# KiCad board fabiTEM_0-5.kicad_pcb (continued)
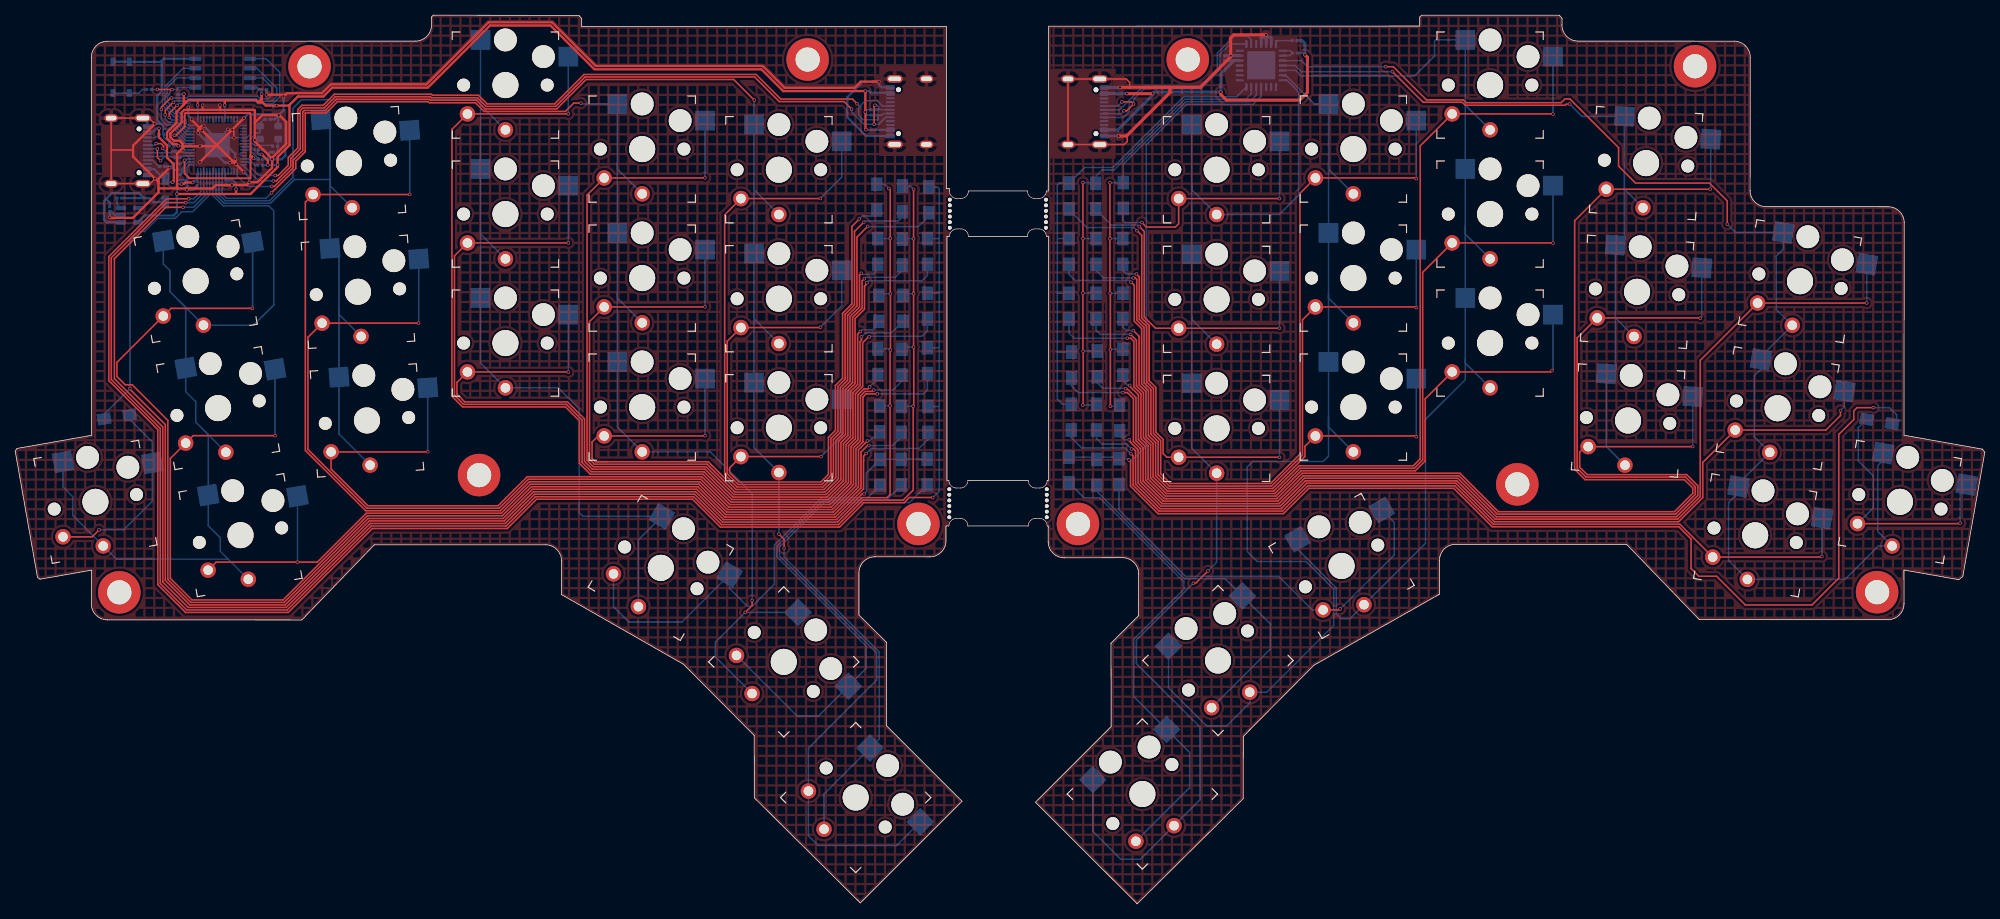
[diagram p0: board, top side]
## Routing (per net, layer and track width the routed paths; a pad name or vN(x,y) marks a point on that pad's centre or on a via; arc(x,y) is an arc through that point)
/+1.1V: length 41.7
  Top w0.25: v1(31.37,98.27) 31.15,98.49 30.98,98.49 ; v1(31.37,98.27) 30.98,98.65 30.98,104.13 30.89,104.21 22.41,104.21 22.32,104.12 22.32,102.42 21.18,101.28 v1(20.97,101.28) ; v1(31.37,98.27) 31.14,98.5 30.99,98.5 30.98,98.49 ; 30.98,98.49 30.98,95.62 22.94,95.62 22.3,96.27 v1(22.3,97.99)
  Bottom w0.2: U2.50 22.4,100.18 21.3,101.28 v1(20.97,101.28) 20.56,101.28 C15.1 ; U2.45 22.64,98.18 22.45,97.99 v1(22.3,97.99) ; 30.55,99.38 U2.23 ; C14.1 31.98,98.25 31.25,98.98 31.24,98.98 30.84,99.37 30.06,99.37
  Bottom w0.25: v1(22.3,97.99) 21.84,97.53 C3.2 ; v1(31.37,98.27) 31.5,98.14 C14.1
/+3.3V: length 195.6
  Top w0.2: v1(24.02,105.25) 24.02,105.93
  Top w0.3: 31.99,105.62 31.68,105.93 29.38,105.93 ; 31.99,105.62 32.45,106.08 v1(32.45,106.73) 32.45,105.74 32.57,105.62 ; 31.99,105.62 32.57,105.62 ; v1(21.89,94.88) 22.22,94.88 22.41,95.07 v1(23.38,95.07) ; v1(112,102.03) 111.93,102.1 111.93,104.35 v1(111.92,104.36) v1(111.92,107.1) 111.91,107.11 101.11,107.11 98.23,109.99 76.24,109.99 70.48,115.75 62.51,115.75 54.32,107.56 41.72,107.56 40.56,106.4 37.22,106.4 36.12,105.3 ; v1(29.08,94.16) 29.08,93.55 ; 29.08,93.55 v1(21.29,93.55) ; 29.08,93.55 30.98,93.55 34.55,97.11 v1(34.55,97.4) 34.55,98.42 36.12,99.99 36.12,105.3 ; v1(27.59,105.25) 27.59,105.93 29.38,105.93 ; 32.57,105.62 32.99,105.2 36.02,105.2 36.12,105.3 ; 29.38,105.93 22.79,105.93 22.48,105.62 ; 22.48,105.62 22.21,105.89 22.21,105.97 ; 22.48,105.62 22.06,105.2 ; v1(32.46,98.76) 32.47,98.76 33.26,97.97 v1(33.26,97.37) ; 22.21,105.97 22.21,106.72 v1(22.22,106.73) ; 22.21,105.97 22.21,105.34 22.06,105.2 ; 22.06,105.2 21.24,104.37 21.24,102.93 19.99,101.68 19.99,100.87 20.73,100.13 21.26,100.13 v1(21.49,99.9)
  Bottom w0.2: C13.1 22.63,97.11 22.9,97.38 U2.43 ; C4.2 22.01,96.99 22.79,97.78 U2.44 ; U2.10 C5.1 ; U2.1 C12.1 24.03,105.24 v1(24.02,105.25) ; U2.49 22.33,99.78 21.57,100.54 20.99,100.54 C11.1 20.89,99.9 C17.1 21.48,99.89 v1(21.49,99.9) 21.81,99.9 22.33,99.38 U2.48 ; R12.1 112.09,104.66 111.92,104.49 111.92,104.2 112.18,103.94 R11.1
  Bottom w0.25: U2.42 24.03,95.94 ; U2.33 27.63,95.48
  Bottom w0.3: 114.85,106.9 112.65,106.9 112.45,107.1 v1(111.92,107.1) ; 27.63,95.48 27.73,95.38 C9.1 28.64,95.38 29.08,94.94 v1(29.08,94.16) ; U2.22 30.98,99.78 31.4,99.36 C10.1 31.98,98.87 32.09,98.76 v1(32.46,98.76) ; R3.1 32.6,97.36 33.25,97.36 ; 21.31,95.37 21.31,95.82 21.59,96.1 21.77,96.1 22.01,96.34 C4.2 ; 21.31,95.37 21.33,95.35 C13.1 ; 21.31,95.37 21.31,94.86 ; 33.25,97.36 34.51,97.36 v1(34.55,97.4) ; 33.25,97.36 v1(33.26,97.37) ; U3.8 31.83,107.57 32.08,107.33 C16.1 v1(32.45,106.73) ; 21.86,94.88 v1(21.89,94.88) 21.87,94.86 21.31,94.86 ; v1(23.38,95.07) 23.57,95.26 C7.1 23.95,95.86 24.03,95.94 ; 21.31,94.86 21.31,93.57 v1(21.29,93.55) 21.29,91.14 20.87,90.72 17.09,90.72 U1.5 ; v1(112,102.03) 112.03,102 J1.A9 ; v1(27.59,105.25) 27.59,104.67 C5.1 ; v1(34.41,105.2) 34.4,105.21 34.22,105.21 33.95,104.94 ; R7.1 22.16,106.67 v1(22.22,106.73)
GND: length 330.8
  Top w0.2: v1(28.01,102.06) 28.06,102.01 v1(28.57,102.01) 28.79,101.79 v1(28.79,100.98) ; 12.63,99.34 J2.S1 J2.S1 17.78,94.92 v1(18.43,95.57) ; 12.63,99.34 J2.S1 J2.S1 17.61,103.56 v1(18.38,102.79) ; 12.63,99.34 15.52,99.34 ; v1(24.67,105.25) 24.67,104.62
  Top w0.3: 35,99.48 33.82,98.3 v1(33.82,98.12) ; 35,99.48 34.6,99.08 ; 35,99.48 35.69,100.17 35.69,103.05 34.8,103.94 v1(34.7,103.94) 32.53,103.94 31.54,102.94 ; 21.38,94.29 21.2,94.29 ; 22.04,99.84 v1(24.32,99.84) 26.4,99.84 ; 22.04,99.84 22.04,99.59 21.31,98.86 21.31,94.4 ; 22.04,99.84 22.04,100.18 21.66,100.56 20.91,100.56 20.42,101.05 20.42,101.5 21.91,103 21.91,104.28 22.24,104.62 22.81,104.62 ; 35.58,106.63 33.11,106.63 v1(33.09,106.61) ; 35.58,106.63 35.78,106.83 40.39,106.83 41.55,107.99 54.14,107.99 62.33,116.18 70.65,116.18 76.42,110.42 98.41,110.42 101.29,107.54 110.49,107.54 111.3,108.35 v1(113.7,108.35) ; 35.58,106.63 35.52,106.63 v1(35.33,106.44) ; 26.96,104.62 31.5,104.62 31.54,104.58 31.54,102.94 ; 26.96,104.62 v1(26.96,105.26) ; 26.96,104.62 22.81,104.62 ; v1(12.46,90.47) 12.53,90.4 15.5,90.4 18.86,93.76 18.86,94.25 ; 18.86,94.25 18.9,94.29 22.67,94.29 ; 18.86,94.25 18.86,95.05 ; v1(28.99,98.17) 28.99,97.9 28.82,97.73 ; 22.67,94.29 22.67,94.16 v1(22.61,94.1) ; 22.67,94.29 26,94.29 26.43,94.72 v1(28.53,94.72) 28.54,94.73 30.47,94.73 v1(30.84,95.1) 31.92,95.1 33.82,97 v1(33.82,98.12) ; 26.56,100 26.4,99.84 ; 26.56,100 26.56,99.98 ; 26.56,100 v1(28.57,102.01) v1(30.1,103.54) ; 26.4,99.84 24.32,97.76 v1(24.32,97.75) ; 24.29,102.26 24.09,102.06 v1(24.09,101.59) ; 24.29,102.26 24.55,102.52 v1(24.82,102.52) ; 24.29,102.26 26.56,99.98 ; 24.29,102.26 23.25,103.3 v1(23.25,103.42) ; 22.81,104.62 22.81,104.97 v1(22.8,104.98) ; 31.54,102.94 v1(31.54,100.65) 31.54,100.48 33.82,98.2 v1(33.82,98.12) ; 26.56,99.98 28.86,97.69 ; v1(30.07,96.48) 28.86,97.69 ; 28.86,97.69 28.82,97.73 ; 28.82,97.73 28.34,97.73 v1(28.29,97.68) ; v1(20.32,97.02) 18.86,95.56 18.86,95.05 ; 18.86,95.05 18.86,95.13 v1(18.43,95.57) 15.52,98.48 15.52,99.93 v1(18.38,102.79)
  Bottom w0.2: 19.46,102.36 19.46,102.55 ; 19.46,102.36 19.46,101.53 R10.2 ; 19.46,102.36 19.72,102.1 C15.2 ; 32.27,100.66 32.23,100.7 32.23,100.79 ; R10.2 19.57,101.01 19.94,100.64 C11.2 20.22,100.61 20.22,99.93 C17.2 ; R10.2 19.55,101.42 ; v1(24.61,101.93) 26.57,99.98 U2.57 ; U2.57 24.46,99.98 v1(24.32,99.84) ; U2.57 26.63,100.68 v1(28.01,102.06) ; U2.57 27.63,100.98 U2.19 30.5,100.98 31.12,101.59 31.12,104.07 31.14,104.09 ; C12.2 v1(24.67,105.25) ; 15.04,110.97 15.01,110.99
  Bottom w0.3: C10.2 32.77,99.36 33.34,98.79 ; 19.3,110.96 19.3,111.14 19.54,111.38 U3.4 ; 19.3,110.96 19.29,110.97 15.04,110.97 ; 19.3,110.96 19.3,107.12 18.7,106.52 18.7,103.31 19.33,102.68 ; v1(34.7,103.94) 34.63,103.87 Y1.2 ; v1(34.7,103.94) 35.33,104.57 v1(35.33,106.44) ; v1(34.7,103.94) 35.58,103.06 35.58,98.62 35.08,98.12 v1(33.82,98.12) 33.5,98.12 ; v1(34.7,103.94) 34.6,104.04 31.19,104.04 31.14,104.09 30.65,104.09 v1(30.1,103.54) ; v1(34.7,103.94) 34.16,103.4 C1.2 ; v1(12.46,90.47) C6.2 12.66,91.25 13.15,90.76 U1.2 ; J1.A1 114.06,107.6 113.7,107.96 v1(113.7,108.35) 111.6,108.35 109.55,106.3 109.55,103.67 112.02,101.2 J1.A12 ; 19.33,102.68 19.2,102.81 18.4,102.81 v1(18.38,102.79) 18.03,102.44 J2.A12 17.39,102.98 J2.S1 ; 19.33,102.68 19.46,102.55 ; v1(20.32,97.02) 20.66,97.02 ; v1(20.32,97.02) 20.15,97.19 R9.2 ; v1(20.32,97.02) 20.39,97.02 C3.1 ; 20.66,97.02 20.9,96.78 ; 20.66,97.02 20.96,96.72 C4.1 ; v1(30.07,96.48) 30.84,95.71 v1(30.84,95.1) ; C14.2 32.64,98.12 33.5,98.12 ; C7.2 23.43,94.1 v1(22.61,94.1) 22.63,94.12 C13.2 ; v1(18.43,95.57) 17.96,96.04 J2.A1 ; v1(23.25,103.42) 22.8,103.87 v1(22.8,104.98) ; C9.2 27.8,94.72 v1(28.53,94.72) ; 33.34,98.79 33.34,98.28 33.5,98.12 ; 33.34,98.79 33.63,99.08 C2.2 ; v1(28.29,97.68) 27.59,97.68 26.63,98.64 U2.57 ; 15.11,110.84 15.01,110.94 15.01,110.99 12.86,110.99 ; 32.23,100.79 32.09,100.65 v1(31.54,100.65) ; v1(28.99,98.17) 28.99,98.82 27.83,99.98 U2.57 ; v1(24.09,101.59) 24.09,101.55 25.66,99.98 U2.57 ; v1(24.82,102.52) 24.82,102.48 26.63,100.68 ; v1(26.96,105.26) 26.96,104.66 C5.2 ; v1(33.09,106.61) C16.2
  vias: v1(29.07,97.47)
GNDR: length 70.5
  Top w0.2: 146.4,101.3 146.4,100.47 146,100.07 J3.S1 138.6,100.07 138.6,108.71 J3.S1 146.26,108.71 146.72,108.25 146.72,107.6
  Top w0.4: 152.02,107.6 v1(145.46,107.6) ; 152.02,107.6 155.99,107.6 160.01,111.62 v1(160.01,111.78) 160.01,114.12 160.42,114.53 v1(164.67,114.53) ; 152.02,107.6 152.02,106.92 146.29,101.19 v1(145.25,101.19)
  Bottom w0.4: U5.11 164.03,114.21 164.04,114.22 ; U5.12 164.68,114.1 164.7,114.12 164.6,114.22 ; 164.6,114.22 165.28,114.22 165.33,114.17 U5.13 ; 164.6,114.22 164.04,114.22 ; 164.04,114.22 164.36,114.22 v1(164.67,114.53) ; 161.19,111.78 v1(160.01,111.78) 160,111.79 159.26,111.79 C8.2 ; v1(145.25,101.19) J3.A1 ; v1(145.46,107.6) 145.45,107.59 J3.A12
VCCR: length 53.5
  Top w0.4: v1(169.79,111.9) 170.12,111.57 170.12,106.94 169.1,105.92 159.46,105.92 158.72,106.66 v1(158.72,107) ; v1(146.35,106.79) 146.37,106.77 149.74,106.77 v1(149.76,106.79)
  Bottom w0.2: v1(169.79,111.9) 169.56,112.13 R2.1
  Bottom w0.4: R13.2 169.42,113.76 169.79,113.39 v1(169.79,111.9) ; 146.37,106.79 144.98,106.79 ; 144.98,106.79 v1(146.35,106.79) ; 144.98,106.79 J3.A9 ; 160.44,111.13 160.32,111.13 160.31,111.12 C8.1 ; 160.44,111.13 158.72,109.41 v1(158.72,107) 158.7,106.98 149.95,106.98 v1(149.76,106.79) 149.76,106.6 145.15,101.99 J3.A4 ; 160.44,111.13 U5.5
/QSPI_CS: length 12.6
  Top w0.2: v1(20.64,107.31) 20.64,107.32 v1(18.72,107.32)
  Bottom w0.2: U2.56 22.82,102.58 22.52,102.88 22.52,103.28 21.51,104.29 21.46,104.29 20.05,105.7 20.05,106.4 20.34,106.69 20.34,107.01 v1(20.64,107.31) R7.2 21.42,107.59 21.43,107.6 23.69,107.6 U3.1 ; R8.2 v1(18.72,107.32)
/QSPI_SCK: length 27.2
  Top w0.2: v1(20.83,105.63) 20.79,105.63 19.75,104.59 v1(19.75,103.98)
  Bottom w0.2: U2.52 22.53,100.98 21.2,102.31 21.2,102.73 20.96,102.97 20.22,102.97 19.75,103.44 v1(19.75,103.98) ; U3.6 31.82,110.11 34.44,107.5 34.44,106.42 33.78,105.77 32.1,105.77 31.78,106.09 22.99,106.09 22.71,105.81 21.01,105.81 v1(20.83,105.63)
/QSPI_SD0: length 28.2
  Top w0.2: v1(21.31,105.22) 20.29,104.2 v1(20.29,103.64)
  Bottom w0.2: U3.5 33.02,111.38 34.83,109.58 34.83,106.35 33.92,105.44 31.97,105.44 31.65,105.76 23.12,105.76 22.84,105.48 21.57,105.48 v1(21.31,105.22) ; v1(20.29,103.64) 20.63,103.3 21.1,103.3 21.53,102.87 21.53,102.45 22.6,101.38 U2.53
/QSPI_SD1: length 11.6
  Bottom w0.2: U3.2 21.29,108.84 20.01,107.56 20.01,106.82 19.72,106.53 19.72,105.4 20.08,105.04 20.08,105.02 21.14,103.96 21.37,103.96 22.19,103.14 22.19,102.74 22.75,102.18 U2.55
/QSPI_SD2: length 13.1
  Bottom w0.2: U3.3 22.09,110.11 19.68,107.7 19.68,106.96 19.39,106.67 19.39,105.26 19.75,104.9 19.75,104.88 21,103.63 21.24,103.63 21.86,103.01 21.86,102.58 22.66,101.78 U2.54
/QSPI_SD3: length 26.9
  Top w0.2: v1(19.25,104.7) 19.25,105 20.44,106.19 v1(20.57,106.19)
  Bottom w0.2: U3.7 32.56,108.84 33.78,107.62 33.78,106.59 33.28,106.1 32.24,106.1 31.92,106.42 22.85,106.42 22.62,106.19 v1(20.57,106.19) ; U2.51 22.46,100.58 20.87,102.17 20.87,102.6 20.83,102.64 19.9,102.64 19.25,103.29 v1(19.25,104.7)
/USB_BOOT: length 4.6
  Bottom w0.2: S1.3 S1.1 16.27,106.84 16.75,107.32 R8.1
/XIN: length 4.7
  Bottom w0.2: U2.20 30.75,100.58 31.76,101.59 32.15,101.59 32.23,101.67 32.23,102.87 32.76,103.4 C1.1
/XOUT: length 4
  Bottom w0.2: R1.1 33.81,99.96 31.5,99.96 31.28,100.18 U2.21
COL0_L: length 123
  Bottom w0.2: SWL1.1 19.5,84.32 20.38,83.44 20.38,80.66 21.61,79.43 ; SWL16.1 6.3,54.93 7.58,53.65 7.58,51.17 SWL16.1 13.32,45.43 28,45.43 28.01,45.45 ; SWL11.1 28.01,45.45 ; 28.01,45.45 26.98,46.48 26.98,48.27 25.4,49.85 SWL11.1 25.4,61.85 24.9,62.35 ; 21.61,79.43 22.45,78.59 SWL6.1 22.45,67.5 23.77,66.18 23.77,63.48 24.9,62.35 ; 21.61,79.43 SWL1.1 31.38,76.26 34.05,78.93 34.05,91.32 33.37,91.99 27.37,91.99 26.03,93.33 U2.37 ; 24.9,62.35 SWL6.1
COL0_R: length 166.3
  Top w0.2: v1(180.39,110.32) 181.41,110.32 185.78,105.96 190.64,105.96 191.02,105.57 203.51,105.57 204.02,106.08 204.65,106.08 211.08,99.65 211.08,97.22 213.31,94.98 223.03,94.98 225.38,92.64 v1(225.38,89.57)
  Bottom w0.2: SWR16.1 245.92,58.48 245.19,57.75 245.19,49.06 SWR16.1 245.28,47.17 240.87,42.76 SWR11.1 225.55,45.23 225.55,52.9 226.86,54.2 SWR11.1 226.86,55.38 SWR6.1 228.93,61.55 228.93,69.58 229.82,70.47 SWR6.1 229.82,72.12 SWR1.1 231.83,78.35 231.83,85.36 232.77,86.3 SWR1.1 226.47,88.48 v1(225.38,89.57) ; U5.17 169.32,111.13 170.13,110.32 v1(180.39,110.32)
COL1_L: length 77.7
  Bottom w0.2: 41.44,95.47 SWL7.1 42.63,85.18 42.63,78.21 ; 41.44,95.47 41.44,102.14 SWL2.1 ; 41.44,95.47 41.44,94.64 SWL2.1 ; 41.44,95.47 36.77,95.47 33.63,92.33 27.49,92.33 26.43,93.4 U2.36 ; SWL7.1 42.63,77.68 42.63,78.21 ; 42.63,78.21 SWL12.1 42.63,61.91 SWL12.1
COL1_R: length 103.1
  Top w0.2: v1(204.63,105.4) 204.22,105.4 204.07,105.24 190.88,105.24 190.5,105.63 185.35,105.63 v1(181.31,109.66)
  Bottom w0.2: SWR12.1 209.47,60.25 SWR12.1 210.66,71.04 210.66,77.27 ; U5.18 168.53,110.48 169.35,109.66 v1(181.31,109.66) ; SWR2.1 211.84,94.17 211.84,94.41 ; SWR7.1 210.66,77.21 210.66,77.27 ; 210.66,77.27 SWR7.1 211.84,88 211.84,94.41 ; 211.84,94.41 SWR2.1 206.25,103.78 v1(204.63,105.4)
COL2_L: length 155.4
  Bottom w0.2: U2.35 26.83,93.47 27.63,92.66 33.49,92.66 36.57,95.74 36.57,104.85 37.68,105.96 61.26,105.96 ; 61.26,106.22 SWL8.1 61.26,88.73 ; 61.26,106.22 SWL3.1 ; 61.26,106.22 61.26,105.96 ; 61.26,88.73 61.26,88.27 SWL8.1 ; 61.26,88.73 SWL13.1 61.26,71.27 SWL13.1 71.48,68 74.24,65.24 74.24,51.55 74.71,51.07 SWL17.1 82.04,47.98 SWL17.1 ; 61.26,105.96 61.26,105.27 SWL3.1
COL2_R: length 139.9
  Bottom w0.2: 190.89,71.71 SWR13.1 190.89,89.3 ; 190.89,71.71 190.89,71.27 SWR13.1 ; 190.89,71.71 190.89,69.07 185.66,63.85 185.66,47.51 SWR17.1 175.73,37.59 174.55,37.59 173.92,38.22 173.92,41.62 168.8,46.74 SWR17.1 ; 190.89,89.3 190.89,105.8 ; 190.89,89.3 190.89,88.27 SWR8.1 ; U5.19 168.59,109.83 169.32,109.11 184.2,109.11 186.85,111.75 186.85,113.65 187.04,113.85 SWR3.1 190.89,105.8 ; 190.89,105.8 190.89,105.27 SWR3.1
COL3_L: length 177.2
  Top w0.2: v1(96.11,38.41) 97.02,39.32 v1(97.02,39.99) ; v1(33.75,93.71) 36.94,96.9 36.94,97.88 38.19,99.13 38.19,104.22 40.94,104.22 42.42,105.7 54.39,105.7 54.52,105.57 60.58,105.57 61.72,104.43 72.43,104.43 73.53,105.52 v1(74.48,105.52)
  Bottom w0.2: 79.26,80.58 SWL9.1 79.26,97.69 ; 79.26,80.58 SWL14.1 79.26,62.84 SWL14.1 91.5,59.56 97.02,54.04 v1(97.02,39.99) ; 79.26,80.58 79.26,79.84 SWL9.1 ; SWL18.1 92.17,32.55 92.17,34.47 v1(96.11,38.41) SWL18.1 ; 79.26,97.69 SWL4.1 74.59,105.41 v1(74.48,105.52) ; 79.26,97.69 79.26,96.84 SWL4.1 ; U2.34 27.23,93.56 27.79,92.99 33.03,92.99 v1(33.75,93.71)
COL3_R: length 146.3
  Bottom w0.2: 172.89,64.1 SWR14.1 172.89,80.35 ; 172.89,64.1 172.89,62.84 SWR14.1 ; 172.89,64.1 172.89,58.98 172.2,58.3 162.91,58.3 162.18,57.57 162.18,46.49 ; SWR4.1 172.89,96.84 172.89,97.27 ; 162.26,46.38 163.52,45.12 169.92,45.12 173.59,41.45 173.59,36.73 164.75,27.89 SWR18.1 162.6,27.82 162.6,26.56 159.5,23.46 156.84,23.46 151.82,28.47 SWR18.1 ; 172.89,80.35 172.89,97.27 ; 172.89,80.35 172.89,79.84 SWR9.1 ; U5.20 167.24,109.18 171.01,105.41 SWR4.1 172.89,97.27
COL4_L: length 197.7
  Top w0.2: v1(33.77,94.55) 34.12,94.55 36.61,97.03 36.61,98.01 37.86,99.26 37.86,104.36 38.05,104.55 40.81,104.55 42.28,106.03 54.53,106.03 54.66,105.9 60.72,105.9 61.86,104.76 71.28,104.76 75.16,108.64 94.58,108.64 v1(97.31,105.91) ; v1(100.54,48.73) 101.22,48.04 v1(101.22,46.85)
  Bottom w0.2: v1(100.54,48.73) 100.54,49.4 SWL15.1 97.26,60.12 SWL15.1 97.26,78.03 ; SWL10.1 97.26,77.12 97.26,78.03 ; v1(33.77,94.55) 30.58,94.55 29.23,95.9 U2.29 ; 97.26,78.03 SWL10.1 97.26,94.84 ; SWL19.1 106.47,14.47 SWL19.1 113.74,21.73 113.74,33.19 101.22,45.71 v1(101.22,46.85) ; 97.26,94.84 97.26,94.12 SWL5.1 ; 97.26,94.84 SWL5.1 97.26,105.86 v1(97.31,105.91)
COL4_R: length 166.4
  Top w0.2: v1(157.01,43.87) 155.4,42.25 v1(155.1,42.25)
  Bottom w0.2: SWR10.1 154.89,77.03 154.89,77.32 ; 154.89,77.32 154.89,94.94 ; 154.89,77.32 SWR15.1 154.89,60.03 SWR15.1 158.16,45.01 v1(157.01,43.87) ; 154.89,94.94 SWR5.1 ; 154.89,94.94 154.89,94.12 SWR5.1 166.4,90.84 168.95,93.39 168.95,107.01 167.42,108.53 U5.21 ; v1(155.1,42.25) 147.6,34.75 147.6,31.67 155.96,23.3 ; 155.96,20.99 155.96,13.7 SWR19.1 148.14,5.88 145.54,5.88 141.86,9.56 SWR19.1 ; 155.96,20.99 155.96,23.3 ; 155.96,20.99 155.96,21.81 ; 155.96,23.3 155.96,21.81 ; 155.96,23.3 155.96,21.81
D+: length 7.3
  Top w0.2: v1(19.4,99.57) 19.54,99.71 19.54,99.87 19.22,100.19 v1(18.56,100.19)
  Bottom w0.2: R4.1 20.64,99.14 20.49,98.99 19.97,98.99 ; J2.B6 18.36,99.99 v1(18.56,100.19) ; v1(19.4,99.57) 19.4,99.56 19.97,98.99 ; J2.A6 19.97,98.99
D-: length 7.8
  Top w0.2: v1(18.72,99.49) 18.72,98.37 v1(19.14,97.95)
  Bottom w0.2: v1(19.14,97.95) 19.15,97.95 19.69,98.49 20.01,98.49 ; R5.2 20.6,98.39 20.5,98.49 20.01,98.49 ; 20.01,98.49 J2.B7 ; J2.A7 v1(18.72,99.49)
ROW0_L: length 225.9
  Top w0.2: v1(22.84,92.91) 22.83,92.91 19.95,92.91 12.32,85.29 12.32,68.95 18.77,62.5 18.77,42.07 22.44,38.4 35.95,38.4 47.01,49.46 64.78,49.46 68.64,53.32 89.17,53.32 92.84,49.65 108.34,49.65 108.52,49.65 111.73,52.87 117.03,52.87 117.71,53.55 v1(120.81,53.55)
  Bottom w0.2: 121.64,73.37 121.64,80.56 ; 121.64,73.37 121.64,65.62 ; 121.64,73.37 121.54,73.27 DL2.1 ; 121.64,80.56 121.64,87.77 ; 121.64,80.56 121.55,80.47 DL3.1 ; DL4.1 121.54,87.67 121.64,87.77 ; DL1.1 121.56,65.54 121.64,65.62 ; 121.64,87.77 121.64,94.24 121.4,94.47 DL5.1 ; v1(22.84,92.91) 23.49,92.91 24.43,93.85 U2.41 ; v1(120.81,53.55) 121.64,54.38 121.64,65.62
ROW0_R: length 62.4
  Top w0.2: v1(144.12,95.03) v1(144.12,87.67) 144.12,80.48 v1(144.15,80.45) 144.17,80.43 v1(144.17,65.57)
  Bottom w0.2: v1(144.17,65.57) 145.22,65.57 DR1.1 ; DR4.1 145.82,87.67 v1(144.12,87.67) ; v1(144.15,80.45) 145.82,80.45 DR3.1 ; v1(144.17,73.04) 144.22,73.09 DR2.1 ; v1(144.12,95.03) 144.78,95.03 144.81,95.06 DR5.1 145.88,97.47 154.11,105.71 162.51,105.71 163.38,106.58 U5.26
ROW1_L: length 222.1
  Top w0.2: 118.27,80.68 v1(118.27,73.37) 118.29,73.34 118.29,65.65 v1(118.21,65.57) 118.21,54.52 116.89,53.2 111.6,53.2 108.38,49.98 92.98,49.98 89.31,53.65 68.5,53.65 64.65,49.79 46.87,49.79 35.81,38.73 22.57,38.73 19.1,42.2 19.1,62.64 12.65,69.09 12.65,85.15 19.91,92.41 v1(22.45,92.41) ; v1(118.27,80.4) v1(118.27,87.67) v1(118.27,94.15)
  Bottom w0.2: U2.40 24.83,93.72 23.52,92.41 v1(22.45,92.41) ; DL7.1 117.02,73.37 v1(118.27,73.37) ; v1(118.21,65.57) 116.67,65.57 DL6.1 ; DL10.1 117.81,94.6 v1(118.27,94.15) ; DL9.1 116.87,87.67 v1(118.27,87.67) ; v1(118.27,80.4) 117.1,80.4 DL8.1
ROW1_R: length 65
  Top w0.2: v1(140.54,65.72) 140.59,65.77 v1(140.59,72.83) 140.57,72.86 v1(140.57,80.48) v1(140.57,87.67) v1(140.57,95.06)
  Bottom w0.2: v1(140.57,95.06) 140.59,95.03 142.16,95.03 DR10.1 142.24,95.87 143.08,96.71 144.65,96.71 153.97,106.04 162.01,106.04 162.73,106.76 U5.27 ; DR6.1 142.22,65.72 v1(140.54,65.72) ; v1(140.59,72.83) 140.62,72.86 DR7.1 ; DR8.1 142.27,80.48 v1(140.57,80.48) ; DR9.1 142.27,87.67 v1(140.57,87.67)
ROW2_L: length 219.1
  Top w0.2: v1(115.19,87.69) 115.19,94.09 v1(115.01,94.27) ; 115.19,87.82 115.19,80.43 v1(115.22,80.4) v1(115.22,72.96) 115.17,72.91 115.17,53.94 114.76,53.53 111.46,53.53 108.24,50.31 93.11,50.31 89.45,53.98 68.36,53.98 64.51,50.12 46.74,50.12 35.68,39.06 22.78,39.06 19.43,42.41 19.43,62.83 13.06,69.2 13.06,85.03 19.82,91.79 v1(22.11,91.79)
  Bottom w0.2: v1(115.22,80.4) 113.9,80.4 DL13.1 ; v1(115.22,72.96) 115.04,73.14 DL12.1 ; DL11.1 113.85,65.65 v1(115.17,65.65) ; v1(22.11,91.79) 23.48,91.79 25.23,93.54 U2.39 ; DL14.1 115.17,87.67 v1(115.19,87.69) ; DL15.1 114.46,94.83 v1(115.01,94.27)
ROW2_R: length 65.6
  Bottom w0.2: DR12.1 137.32,72.71 137.32,72.71 137.19,72.71 ; 137.19,72.71 137.19,66.51 137.85,65.85 DR11.1 ; 137.19,72.71 137.19,80.4 ; 137.19,80.4 137.25,80.47 DR13.1 ; 137.19,80.4 137.19,87.62 ; 137.19,87.62 137.24,87.67 DR14.1 ; 137.19,87.62 137.19,94.73 137.44,94.98 DR15.1 140.8,97.04 144.51,97.04 153.84,106.37 160.8,106.37 U5.28
ROW3_L: length 182.3
  Top w0.2: v1(111.76,54.04) 111.5,54.04 108.11,50.64 93.25,50.64 89.58,54.31 68.23,54.31 64.37,50.45 46.6,50.45 35.54,39.39 22.99,39.39 19.76,42.62 19.76,63.16 15.12,67.81 v1(15.12,67.91)
  Bottom w0.2: DL19.1 116.69,58.61 DL18.1 113.87,58.58 DL17.1 112.04,56.75 112.04,54.32 v1(111.76,54.04) ; DL16.1 11.71,64.5 v1(15.12,67.91) 15.12,87.45 16.27,88.6 17.03,88.6 18.77,90.34 21.06,90.34 21.93,91.21 23.36,91.21 25.63,93.48 U2.38
ROW3_R: length 210
  Top w0.2: v1(244.63,65.39) 242.47,65.39 242.04,64.96 242.04,63.84 240.06,61.86 240.06,42.91 236.54,39.39 227.76,39.39 223.98,43.17 221.63,43.17 220.61,44.19 220.61,48.09 219,49.7 194.44,49.7 189.38,54.76 170.29,54.76 166.96,51.42 150.44,51.42 146.83,55.04 146.83,58.29 v1(146.64,58.48)
  Bottom w0.2: U5.25 164.03,106.43 162.98,105.38 154.25,105.38 148.9,100.03 148.9,60.34 147.04,58.48 v1(146.64,58.48) 146.46,58.66 DR17.1 145.1,58.87 DR19.1 ; DR16.1 247.68,63.87 247.68,64.45 246.74,65.39 v1(244.63,65.39)
SCLL: length 105
  Top w0.2: v1(113.19,105.25) 113.08,105.14 v1(113.08,102.74) ; v1(110.1,104.75) 109.12,105.73 100.59,105.73 97.35,108.97 75.02,108.97 71.15,105.09 61.99,105.09 60.86,106.23 54.8,106.23 54.67,106.36 42.14,106.36 40.67,104.88 37.86,104.88 37.53,104.55 37.53,99.47 36.28,98.22 36.28,97.17 34.37,95.27 v1(33.99,95.27)
  Bottom w0.2: v1(110.1,104.75) 110.1,104.37 111.73,102.74 113.68,102.74 114.59,103.65 J1.B6 ; v1(113.19,105.25) 113.47,105.25 113.66,105.06 113.66,104.73 113.58,104.65 ; 113.58,104.65 J1.A6 ; 113.58,104.65 113.33,104.65 R12.2 ; U2.28 30.06,97.28 32.08,95.27 v1(33.99,95.27)
SCLR: length 28.4
  Top w0.2: v1(145.7,105.68) 146.97,105.68 v1(147.23,105.42) 146.32,104.51 v1(145.97,104.51)
  Bottom w0.2: J3.A6 145.61,104.14 145.99,104.52 145.98,104.51 v1(145.97,104.51) ; v1(147.23,105.42) 147.23,106.01 148.62,107.41 156.11,107.41 158.59,109.88 158.59,111.97 159.93,113.32 U5.8 ; J3.B6 145.16,105.14 v1(145.7,105.68)
SDAL: length 105.3
  Top w0.2: v1(110.83,105.45) 110.22,106.06 100.78,106.06 97.54,109.3 74.89,109.3 71.01,105.42 62.13,105.42 60.99,106.56 54.93,106.56 54.8,106.69 42.01,106.69 40.55,105.23 37.74,105.23 37.2,104.68 37.2,99.61 35.95,98.36 35.95,97.31 34.63,95.99 v1(34.24,95.99)
  Bottom w0.2: 111.24,105.16 111.11,105.16 v1(110.83,105.45) ; 111.24,105.16 111.05,104.97 111.05,103.89 111.61,103.33 113.59,103.33 113.59,103.68 113.33,103.94 114.11,103.94 114.32,104.15 J1.A7 ; 111.24,105.16 111.91,105.83 113.5,105.83 114.18,105.15 J1.B7 ; v1(34.24,95.99) 32.08,95.99 31.03,97.04 31.03,97.39 30.64,97.78 U2.27
SDAR: length 30.5
  Bottom w0.2: 146.64,105.89 146.64,104.39 145.89,103.64 J3.B7 ; 146.64,105.89 148.49,107.74 155.97,107.74 158.26,110.02 158.26,112.11 160.51,114.36 162.25,114.36 162.73,113.88 U5.9 ; 146.64,105.89 145.39,104.64 J3.A7
Net-(C2-Pad1): length 1.7
  Bottom w0.2: C2.1 34.56,99.85 R1.2 34.56,99.87 34.56,100.72 Y1.3
Net-(D1-Pad2): length 13.8
  Top w0.3: v1(18.93,102.2) 18.93,101.02 19.99,99.96 19.99,98.35 20.88,97.46 20.88,95.24 v1(20.74,95.1)
  Bottom w0.3: v1(20.74,95.1) 20.28,95.1 D1.2 19.5,95.62 18.28,96.84 J2.A4 ; v1(18.93,102.2) 18.61,102.2 18.05,101.64 J2.A9
Net-(DL1-A): length 178.2
  Top w0.2: v1(112.02,59.35) 111.69,59.02 111.69,58.42 111.67,58.4 111.67,54.67 107.97,50.97 93.39,50.97 89.72,54.64 68.09,54.64 64.24,50.78 46.46,50.78 35.4,39.72 23.12,39.72 20.09,42.75 20.09,63.71 15.4,68.41 14.49,68.41 13.39,69.51 13.39,71.35 SWL1.2 20.51,78.47 31.23,78.47 v1(31.23,78.48)
  Bottom w0.2: DL1.2 120.14,61.2 118.95,60.01 112.68,60.01 v1(112.02,59.35) ; SWL1.2 31.26,78.5 v1(31.23,78.48)
Net-(DL2-A): length 158.6
  Top w0.2: v1(113.49,67.2) 112,67.2 111.61,66.8 111.61,60.89 110.68,59.97 110.68,55.08 107.56,51.96 93.8,51.96 90.13,55.63 67.68,55.63 63.86,51.8 46.15,51.8 38.2,59.75 38.2,92.46 SWL2.2 51.91,93.48 v1(51.93,93.5)
  Bottom w0.2: SWL2.2 51.93,93.51 v1(51.93,93.5) ; v1(113.49,67.2) 119.53,67.2 120.08,67.75 DL2.2
Net-(DL3-A): length 151.1
  Top w0.2: v1(112.42,74.71) 112.32,74.71 111.56,73.95 111.56,68.17 110.62,67.23 110.62,61.3 109.69,60.38 109.69,55.49 107.15,52.95 94.21,52.95 90.54,56.62 75.71,56.62 74.29,58.04 74.29,63.64 72.43,65.49 58.9,65.49 57.5,66.89 57.5,102.06 SWL3.2 72.81,104.1 v1(72.81,104.1)
  Bottom w0.2: DL3.2 120.08,75.53 119.35,74.79 112.5,74.79 v1(112.42,74.71) ; v1(72.81,104.1) 72.81,104.1 SWL3.2
Net-(DL4-A): length 132.3
  Top w0.2: v1(90.81,95.68) 90.79,95.66 SWL4.2 75.28,93.4 75.28,58.45 76.12,57.61 90.95,57.61 94.62,53.94 106.74,53.94 108.7,55.91 108.7,60.79 109.63,61.71 109.63,67.64 110.57,68.58 110.57,77.12 111.81,78.36 111.81,81.4 112.01,81.6 112.01,81.74 v1(112.12,81.85)
  Bottom w0.2: v1(112.12,81.85) 112.37,82.11 119.38,82.11 120.08,82.81 DL4.2 ; SWL4.2 90.81,95.68 v1(90.81,95.68)
Net-(DL5-A): length 115.9
  Top w0.2: v1(106.01,92.97) 105.98,92.94 SWL5.2 93.4,90.8 93.4,56.57 95.03,54.93 106.33,54.93 107.71,56.32 107.71,61.2 108.64,62.12 108.64,68.05 109.58,68.99 109.58,77.54 110.82,78.78 110.82,87.87 v1(112.22,89.27)
  Bottom w0.2: DL5.2 120.25,90.59 118.9,89.24 112.25,89.24 v1(112.22,89.27) ; SWL5.2 108.81,95.77 v1(106.01,92.97)
Net-(DL6-A): length 152.3
  Top w0.2: v1(34.21,61.7) 23.43,61.7 20.42,58.69 20.42,42.89 23.26,40.05 35.27,40.05 46.36,51.14 64.13,51.14 67.95,54.97 89.86,54.97 93.52,51.3 107.83,51.3 111.34,54.81 111.34,59.53 112.21,60.4 v1(112.36,60.4)
  Bottom w0.2: v1(34.21,61.7) 34.21,61.7 SWL6.2 ; v1(112.36,60.4) 115.53,60.4 116.64,61.51 DL6.2
Net-(DL7-A): length 137.1
  Top w0.2: v1(53.11,76.53) 53.1,76.52 SWL7.2 38.53,74.65 38.53,59.89 46.28,52.13 63.72,52.13 67.54,55.96 90.27,55.96 93.93,52.29 107.42,52.29 110.35,55.22 110.35,60.11 111.28,61.03 111.28,66.94 111.87,67.53 112.83,67.53 v1(113.01,67.7)
  Bottom w0.2: SWL7.2 53.12,76.53 v1(53.11,76.53) ; v1(113.01,67.7) 115.55,67.7 116.74,68.9 DL7.2
Net-(DL8-A): length 129.3
  Top w0.2: v1(72.81,87.1) 72.81,87.1 SWL8.2 57.83,85.39 57.83,67.03 59.04,65.82 72.57,65.82 74.62,63.77 74.62,58.17 75.84,56.95 90.68,56.95 94.34,53.28 107.01,53.28 109.36,55.63 109.36,60.52 110.29,61.44 110.29,67.36 111.23,68.3 111.23,74.09 111.41,74.27 v1(111.41,74.71)
  Bottom w0.2: DL8.2 115.33,75.23 111.93,75.23 v1(111.41,74.71) ; v1(72.81,87.1) 72.81,87.1 SWL8.2
Net-(DL9-A): length 110.9
  Top w0.2: v1(90.81,78.68) 90.79,78.66 SWL9.2 75.61,76.73 75.61,58.58 76.25,57.94 91.09,57.94 94.75,54.27 106.6,54.27 108.37,56.04 108.37,60.93 109.3,61.85 109.3,67.77 110.24,68.71 110.24,77.27 111.48,78.51 111.48,82.07 v1(111.79,82.38)
  Bottom w0.2: DL9.2 116.79,83.51 115.85,82.57 111.97,82.57 v1(111.79,82.38) ; v1(90.81,78.68) 90.81,78.68 SWL9.2
Net-(DL10-A): length 95.1
  Top w0.2: v1(106.01,75.99) 105.96,75.94 SWL10.2 93.73,74.13 93.73,56.7 95.17,55.26 106.19,55.26 107.38,56.45 107.38,61.34 108.31,62.26 108.31,68.18 109.25,69.12 109.25,77.68 110.49,78.92 110.49,88.6 v1(111.71,89.83)
  Bottom w0.2: SWL10.2 108.81,78.8 v1(106.01,75.99) ; v1(111.71,89.83) 111.86,89.98 116.23,89.98 116.79,90.54 DL10.2
Net-(DL11-A): length 110.5
  Top w0.2: SWL11.2 26.45,45.03 v1(37.16,45.03) 39.77,45.03 46.22,51.47 63.99,51.47 67.82,55.3 89.99,55.3 93.66,51.63 107.7,51.63 111.01,54.95 111.01,59.83 111.86,60.68 111.87,60.68 v1(112.19,61)
  Bottom w0.2: v1(112.19,61) 112.47,61 113.67,62.19 DL11.2 ; v1(37.16,45.03) SWL11.2
Net-(DL12-A): length 114.3
  Top w0.2: v1(54.31,59.58) 54.3,59.56 SWL12.2 41.59,57.3 46.42,52.46 63.58,52.46 67.41,56.29 90.4,56.29 94.07,52.62 107.29,52.62 110.02,55.36 110.02,60.24 110.95,61.16 110.95,67.08 111.73,67.86 112.22,67.86 v1(112.47,68.11)
  Bottom w0.2: v1(54.31,59.58) 54.3,59.58 SWL12.2 ; v1(112.47,68.11) 113.57,69.2 DL12.2
Net-(DL13-A): length 108.8
  Top w0.2: v1(111.25,75.43) 110.9,75.07 110.9,68.44 109.96,67.5 109.96,61.57 109.03,60.65 109.03,55.77 106.88,53.61 94.48,53.61 90.81,57.28 75.98,57.28 74.95,58.31 74.95,63.91 72.71,66.15 59.17,66.15 58.16,67.17 58.16,68.72 SWL13.2 72.79,70.1 v1(72.81,70.08)
  Bottom w0.2: SWL13.2 72.81,70.08 v1(72.81,70.08) ; v1(111.25,75.43) 111.48,75.65 112.88,75.65 113.67,76.44 DL13.2
Net-(DL14-A): length 91.6
  Top w0.2: SWL14.2 90.77,61.66 v1(90.81,61.7) ; 76.39,58.27 75.94,58.72 75.94,60.85 76.75,61.66 ; 76.39,58.27 77.91,58.27 ; 76.39,58.27 77.91,58.27 ; 77.91,58.27 91.23,58.27 94.9,54.6 106.47,54.6 108.04,56.18 108.04,61.06 108.97,61.98 108.97,67.91 109.91,68.85 109.91,77.41 111.15,78.65 111.15,82.86 v1(111.38,83.1)
  Bottom w0.2: SWL14.2 90.81,61.7 v1(90.81,61.7) ; DL14.2 113.54,83.5 112.98,82.94 111.53,82.94 v1(111.38,83.1)
Net-(DL15-A): length 74.1
  Top w0.2: v1(111.13,90.26) 110.16,89.29 110.16,79.06 108.92,77.82 108.92,69.26 107.98,68.32 107.98,62.39 107.05,61.47 107.05,56.59 106.06,55.59 95.31,55.59 94.06,56.84 94.06,57.46 SWL15.2 106.08,58.94 v1(106.08,58.94)
  Bottom w0.2: DL15.2 113.44,91.38 112.7,90.64 111.51,90.64 v1(111.13,90.26) ; v1(106.08,58.94) 108.81,61.67 SWL15.2
Net-(DL16-A): length 26.3
  Top w0.2: SWL16.2 10.13,48.37 v1(11.05,49.29)
  Bottom w0.2: v1(11.05,49.29) 14.28,49.29 18.06,53.07 18.06,60.85 15.07,63.84 DL16.2
Net-(DL17-A): length 55.2
  Bottom w0.2: DL17.2 112.23,53.54 106.21,53.54 99.95,47.28 99.95,42.14 97.04,39.23 96.38,39.23 94.03,41.57 SWL17.2 87.78,37.14 80.78,37.14 78.76,39.15 SWL17.2
Net-(DL18-A): length 63.7
  Bottom w0.2: SWL18.2 102.93,24.76 105.75,24.76 112.03,31.03 112.03,33.97 100.28,45.72 100.28,47.14 106.35,53.21 114.69,53.21 DL18.2
Net-(DL19-A): length 86.4
  Bottom w0.2: SWL19.2 116.02,7.68 105.72,7.68 104.42,8.98 104.42,20.51 113.41,29.49 113.41,33.06 100.61,45.86 100.61,47 106.48,52.88 117.71,52.88 DL19.2
Net-(DR1-A): length 136.4
  Top w0.2: v1(243.73,79.17) 243.73,79.18 SWR1.2 221.83,71.63 221.83,53.68 218.84,50.69 194.85,50.69 189.79,55.75 169.85,55.75 166.51,52.41 150.85,52.41 147.82,55.45 147.82,59.83 146.8,60.85 146.8,61.01 v1(146.66,61.15)
  Bottom w0.2: DR1.2 145.39,61.73 145.98,61.15 v1(146.66,61.15) ; SWR1.2 243.76,79.2 v1(243.73,79.17)
Net-(DR2-A): length 169
  Top w0.2: v1(146.71,68.31) 146.71,68.23 147.87,67.08 147.87,61.18 148.81,60.24 148.81,55.86 151.25,53.41 151.53,53.41 151.54,53.4 166.08,53.4 169.42,56.74 190.2,56.74 195.26,51.68 218.43,51.68 220.84,54.09 220.84,54.8 219.74,55.9 206.66,55.9 205.29,57.27 205.29,90.02 SWR2.2 223.13,94.17 v1(223.13,94.17)
  Bottom w0.2: SWR2.2 223.21,94.25 v1(223.13,94.17) ; DR2.2 145.83,68.95 146.46,68.31 v1(146.71,68.31)
Net-(DR3-A): length 128.7
  Top w0.2: v1(147.2,75.55) 147.96,74.79 147.96,68.39 148.86,67.49 148.86,61.59 149.8,60.65 149.8,56.27 151.66,54.4 165.68,54.4 169.01,57.73 184.04,57.73 184.95,58.64 184.95,99.89 SWR3.2 202.41,104.1 v1(202.43,104.07)
  Bottom w0.2: SWR3.2 v1(202.44,104.07) ; DR3.2 145.83,76 146.28,75.55 v1(147.2,75.55)
